# KiCad board OLD_PCB.kicad_pcb (continued)
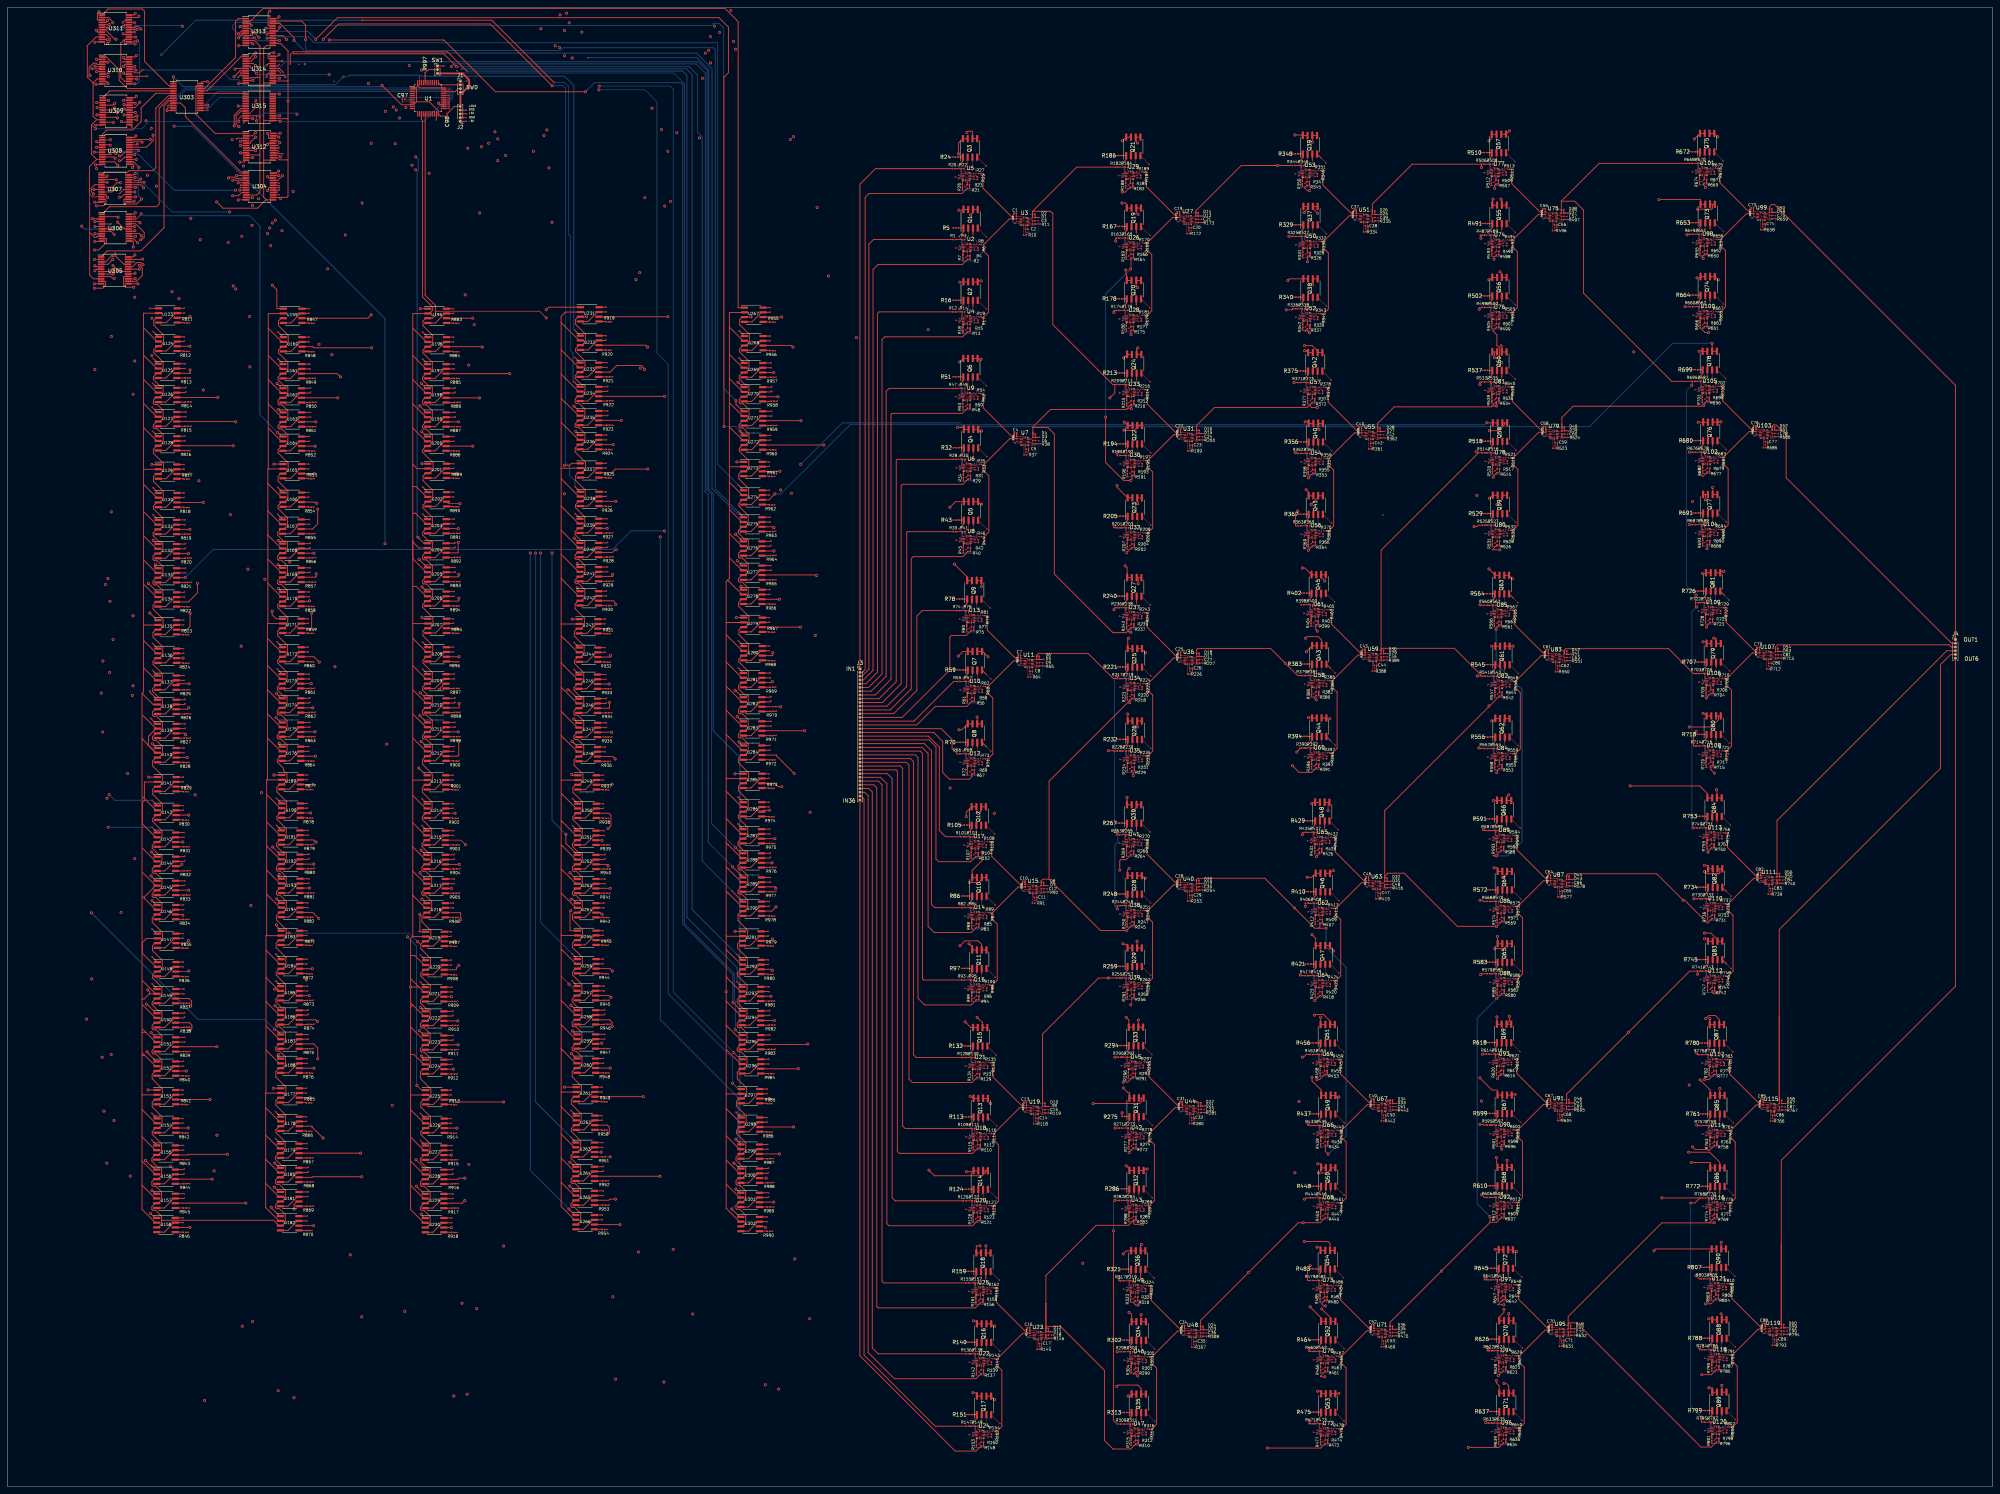
[diagram p0: board, top side]
## Placement (name value [footprint] x y rotation side) (continued)
U154  MCP41050  [SOIC-8_3.9x4.9mm_P1.27mm]  42.42 96.39 0 top
U155  MCP41050  [SOIC-8_3.9x4.9mm_P1.27mm]  42.32 89.19 0 top
U156  MCP41050  [SOIC-8_3.9x4.9mm_P1.27mm]  42.32 82.74 0 top
U157  MCP41050  [SOIC-8_3.9x4.9mm_P1.27mm]  42.32 76.29 0 top
U158  MCP41050  [SOIC-8_3.9x4.9mm_P1.27mm]  42.32 69.84 0 top
U159  MCP41050  [SOIC-8_3.9x4.9mm_P1.27mm]  76.12 312.66 0 top
U160  MCP41050  [SOIC-8_3.9x4.9mm_P1.27mm]  76.12 305.06 0 top
U161  MCP41050  [SOIC-8_3.9x4.9mm_P1.27mm]  76.03 297.86 0 top
U162  MCP41050  [SOIC-8_3.9x4.9mm_P1.27mm]  76.03 291.41 0 top
U163  MCP41050  [SOIC-8_3.9x4.9mm_P1.27mm]  76.03 284.96 0 top
U164  MCP41050  [SOIC-8_3.9x4.9mm_P1.27mm]  76.03 278.5 0 top
U165  MCP41050  [SOIC-8_3.9x4.9mm_P1.27mm]  76.03 271.16 0 top
U166  MCP41050  [SOIC-8_3.9x4.9mm_P1.27mm]  76.03 263.56 0 top
U167  MCP41050  [SOIC-8_3.9x4.9mm_P1.27mm]  75.93 256.36 0 top
U168  MCP41050  [SOIC-8_3.9x4.9mm_P1.27mm]  75.93 249.91 0 top
U169  MCP41050  [SOIC-8_3.9x4.9mm_P1.27mm]  75.93 243.46 0 top
U170  MCP41050  [SOIC-8_3.9x4.9mm_P1.27mm]  75.93 237.01 0 top
U171  MCP41050  [SOIC-8_3.9x4.9mm_P1.27mm]  75.92 229.85 0 top
U172  MCP41050  [SOIC-8_3.9x4.9mm_P1.27mm]  75.92 222.25 0 top
U173  MCP41050  [SOIC-8_3.9x4.9mm_P1.27mm]  75.82 215.05 0 top
U174  MCP41050  [SOIC-8_3.9x4.9mm_P1.27mm]  75.82 208.6 0 top
U175  MCP41050  [SOIC-8_3.9x4.9mm_P1.27mm]  75.82 202.15 0 top
U176  MCP41050  [SOIC-8_3.9x4.9mm_P1.27mm]  75.82 195.7 0 top
U177  MCP41050  [SOIC-8_3.9x4.9mm_P1.27mm]  75.44 104.46 0 top
U178  MCP41050  [SOIC-8_3.9x4.9mm_P1.27mm]  75.44 96.86 0 top
U179  MCP41050  [SOIC-8_3.9x4.9mm_P1.27mm]  75.34 89.66 0 top
U180  MCP41050  [SOIC-8_3.9x4.9mm_P1.27mm]  75.34 83.21 0 top
U181  MCP41050  [SOIC-8_3.9x4.9mm_P1.27mm]  75.34 76.76 0 top
U182  MCP41050  [SOIC-8_3.9x4.9mm_P1.27mm]  75.34 70.31 0 top
U183  MCP41050  [SOIC-8_3.9x4.9mm_P1.27mm]  75.53 146.52 0 top
U184  MCP41050  [SOIC-8_3.9x4.9mm_P1.27mm]  75.53 138.92 0 top
U185  MCP41050  [SOIC-8_3.9x4.9mm_P1.27mm]  75.43 131.72 0 top
U186  MCP41050  [SOIC-8_3.9x4.9mm_P1.27mm]  75.43 125.27 0 top
U187  MCP41050  [SOIC-8_3.9x4.9mm_P1.27mm]  75.43 118.82 0 top
U188  MCP41050  [SOIC-8_3.9x4.9mm_P1.27mm]  75.43 112.37 0 top
U189  MCP41050  [SOIC-8_3.9x4.9mm_P1.27mm]  75.7 188.12 0 top
U190  MCP41050  [SOIC-8_3.9x4.9mm_P1.27mm]  75.7 180.52 0 top
U191  MCP41050  [SOIC-8_3.9x4.9mm_P1.27mm]  75.6 173.32 0 top
U192  MCP41050  [SOIC-8_3.9x4.9mm_P1.27mm]  75.6 166.87 0 top
U193  MCP41050  [SOIC-8_3.9x4.9mm_P1.27mm]  75.6 160.42 0 top
U194  MCP41050  [SOIC-8_3.9x4.9mm_P1.27mm]  75.6 153.97 0 top
U195  MCP41050  [SOIC-8_3.9x4.9mm_P1.27mm]  114.71 312.65 0 top
U196  MCP41050  [SOIC-8_3.9x4.9mm_P1.27mm]  114.71 305.05 0 top
U197  MCP41050  [SOIC-8_3.9x4.9mm_P1.27mm]  114.61 297.85 0 top
U198  MCP41050  [SOIC-8_3.9x4.9mm_P1.27mm]  114.61 291.4 0 top
U199  MCP41050  [SOIC-8_3.9x4.9mm_P1.27mm]  114.61 284.95 0 top
U200  MCP41050  [SOIC-8_3.9x4.9mm_P1.27mm]  114.61 278.5 0 top
U201  MCP41050  [SOIC-8_3.9x4.9mm_P1.27mm]  114.73 271.25 0 top
U202  MCP41050  [SOIC-8_3.9x4.9mm_P1.27mm]  114.73 263.66 0 top
U203  MCP41050  [SOIC-8_3.9x4.9mm_P1.27mm]  114.62 256.46 0 top
U204  MCP41050  [SOIC-8_3.9x4.9mm_P1.27mm]  114.62 250.01 0 top
U205  MCP41050  [SOIC-8_3.9x4.9mm_P1.27mm]  114.62 243.56 0 top
U206  MCP41050  [SOIC-8_3.9x4.9mm_P1.27mm]  114.62 237.11 0 top
U207  MCP41050  [SOIC-8_3.9x4.9mm_P1.27mm]  114.7 229.85 0 top
U208  MCP41050  [SOIC-8_3.9x4.9mm_P1.27mm]  114.7 222.25 0 top
U209  MCP41050  [SOIC-8_3.9x4.9mm_P1.27mm]  114.6 215.05 0 top
U210  MCP41050  [SOIC-8_3.9x4.9mm_P1.27mm]  114.6 208.6 0 top
U211  MCP41050  [SOIC-8_3.9x4.9mm_P1.27mm]  114.6 202.15 0 top
U212  MCP41050  [SOIC-8_3.9x4.9mm_P1.27mm]  114.6 195.7 0 top
U213  MCP41050  [SOIC-8_3.9x4.9mm_P1.27mm]  114.53 188.05 0 top
U214  MCP41050  [SOIC-8_3.9x4.9mm_P1.27mm]  114.53 180.45 0 top
U215  MCP41050  [SOIC-8_3.9x4.9mm_P1.27mm]  114.43 173.25 0 top
U216  MCP41050  [SOIC-8_3.9x4.9mm_P1.27mm]  114.43 166.8 0 top
U217  MCP41050  [SOIC-8_3.9x4.9mm_P1.27mm]  114.43 160.35 0 top
U218  MCP41050  [SOIC-8_3.9x4.9mm_P1.27mm]  114.43 153.9 0 top
U219  MCP41050  [SOIC-8_3.9x4.9mm_P1.27mm]  114.13 146.25 0 top
U220  MCP41050  [SOIC-8_3.9x4.9mm_P1.27mm]  114.13 138.65 0 top
U221  MCP41050  [SOIC-8_3.9x4.9mm_P1.27mm]  114.03 131.45 0 top
U222  MCP41050  [SOIC-8_3.9x4.9mm_P1.27mm]  114.03 125 0 top
U223  MCP41050  [SOIC-8_3.9x4.9mm_P1.27mm]  114.03 118.55 0 top
U224  MCP41050  [SOIC-8_3.9x4.9mm_P1.27mm]  114.03 112.1 0 top
U225  MCP41050  [SOIC-8_3.9x4.9mm_P1.27mm]  114.12 103.96 0 top
U226  MCP41050  [SOIC-8_3.9x4.9mm_P1.27mm]  114.12 96.36 0 top
U227  MCP41050  [SOIC-8_3.9x4.9mm_P1.27mm]  114.03 89.16 0 top
U228  MCP41050  [SOIC-8_3.9x4.9mm_P1.27mm]  114.03 82.71 0 top
U229  MCP41050  [SOIC-8_3.9x4.9mm_P1.27mm]  114.03 76.25 0 top
U230  MCP41050  [SOIC-8_3.9x4.9mm_P1.27mm]  114.03 69.81 0 top
U231  MCP41050  [SOIC-8_3.9x4.9mm_P1.27mm]  155.45 313.05 0 top
U232  MCP41050  [SOIC-8_3.9x4.9mm_P1.27mm]  155.45 305.45 0 top
U233  MCP41050  [SOIC-8_3.9x4.9mm_P1.27mm]  155.35 298.25 0 top
U234  MCP41050  [SOIC-8_3.9x4.9mm_P1.27mm]  155.35 291.8 0 top
U235  MCP41050  [SOIC-8_3.9x4.9mm_P1.27mm]  155.35 285.35 0 top
U236  MCP41050  [SOIC-8_3.9x4.9mm_P1.27mm]  155.35 278.9 0 top
U237  MCP41050  [SOIC-8_3.9x4.9mm_P1.27mm]  155.43 271.36 0 top
U238  MCP41050  [SOIC-8_3.9x4.9mm_P1.27mm]  155.43 263.75 0 top
U239  MCP41050  [SOIC-8_3.9x4.9mm_P1.27mm]  155.33 256.56 0 top
U240  MCP41050  [SOIC-8_3.9x4.9mm_P1.27mm]  155.33 250.11 0 top
U241  MCP41050  [SOIC-8_3.9x4.9mm_P1.27mm]  155.33 243.66 0 top
U242  MCP41050  [SOIC-8_3.9x4.9mm_P1.27mm]  155.33 237.21 0 top
U243  MCP41050  [SOIC-8_3.9x4.9mm_P1.27mm]  155.13 229.75 0 top
U244  MCP41050  [SOIC-8_3.9x4.9mm_P1.27mm]  155.13 222.15 0 top
U245  MCP41050  [SOIC-8_3.9x4.9mm_P1.27mm]  155.03 214.95 0 top
U246  MCP41050  [SOIC-8_3.9x4.9mm_P1.27mm]  155.03 208.5 0 top
U247  MCP41050  [SOIC-8_3.9x4.9mm_P1.27mm]  155.03 202.05 0 top
U248  MCP41050  [SOIC-8_3.9x4.9mm_P1.27mm]  155.03 195.6 0 top
U249  MCP41050  [SOIC-8_3.9x4.9mm_P1.27mm]  154.73 188.05 0 top
U250  MCP41050  [SOIC-8_3.9x4.9mm_P1.27mm]  154.73 180.45 0 top
U251  MCP41050  [SOIC-8_3.9x4.9mm_P1.27mm]  154.63 173.25 0 top
U252  MCP41050  [SOIC-8_3.9x4.9mm_P1.27mm]  154.63 166.8 0 top
U253  MCP41050  [SOIC-8_3.9x4.9mm_P1.27mm]  154.63 160.35 0 top
U254  MCP41050  [SOIC-8_3.9x4.9mm_P1.27mm]  154.63 153.9 0 top
U255  MCP41050  [SOIC-8_3.9x4.9mm_P1.27mm]  154.65 146.55 0 top
U256  MCP41050  [SOIC-8_3.9x4.9mm_P1.27mm]  154.65 138.95 0 top
U257  MCP41050  [SOIC-8_3.9x4.9mm_P1.27mm]  154.55 131.75 0 top
U258  MCP41050  [SOIC-8_3.9x4.9mm_P1.27mm]  154.55 125.3 0 top
U259  MCP41050  [SOIC-8_3.9x4.9mm_P1.27mm]  154.55 118.85 0 top
U260  MCP41050  [SOIC-8_3.9x4.9mm_P1.27mm]  154.55 112.4 0 top
U261  MCP41050  [SOIC-8_3.9x4.9mm_P1.27mm]  154.33 104.75 0 top
U262  MCP41050  [SOIC-8_3.9x4.9mm_P1.27mm]  154.33 97.15 0 top
U263  MCP41050  [SOIC-8_3.9x4.9mm_P1.27mm]  154.23 89.95 0 top
U264  MCP41050  [SOIC-8_3.9x4.9mm_P1.27mm]  154.23 83.5 0 top
U265  MCP41050  [SOIC-8_3.9x4.9mm_P1.27mm]  154.23 77.05 0 top
U266  MCP41050  [SOIC-8_3.9x4.9mm_P1.27mm]  154.23 70.6 0 top
U267  MCP41050  [SOIC-8_3.9x4.9mm_P1.27mm]  199.25 312.95 0 top
U268  MCP41050  [SOIC-8_3.9x4.9mm_P1.27mm]  199.25 305.35 0 top
U269  MCP41050  [SOIC-8_3.9x4.9mm_P1.27mm]  199.15 298.15 0 top
U270  MCP41050  [SOIC-8_3.9x4.9mm_P1.27mm]  199.15 291.7 0 top
U271  MCP41050  [SOIC-8_3.9x4.9mm_P1.27mm]  199.15 285.25 0 top
U272  MCP41050  [SOIC-8_3.9x4.9mm_P1.27mm]  199.15 278.8 0 top
U273  MCP41050  [SOIC-8_3.9x4.9mm_P1.27mm]  199.05 271.75 0 top
U274  MCP41050  [SOIC-8_3.9x4.9mm_P1.27mm]  199.05 264.15 0 top
U275  MCP41050  [SOIC-8_3.9x4.9mm_P1.27mm]  198.95 256.95 0 top
U276  MCP41050  [SOIC-8_3.9x4.9mm_P1.27mm]  198.95 250.5 0 top
U277  MCP41050  [SOIC-8_3.9x4.9mm_P1.27mm]  198.95 244.05 0 top
U278  MCP41050  [SOIC-8_3.9x4.9mm_P1.27mm]  198.95 237.6 0 top
U279  MCP41050  [SOIC-8_3.9x4.9mm_P1.27mm]  199.05 230.15 0 top
U280  MCP41050  [SOIC-8_3.9x4.9mm_P1.27mm]  199.05 222.55 0 top
U281  MCP41050  [SOIC-8_3.9x4.9mm_P1.27mm]  198.95 215.35 0 top
U282  MCP41050  [SOIC-8_3.9x4.9mm_P1.27mm]  198.95 208.9 0 top
U283  MCP41050  [SOIC-8_3.9x4.9mm_P1.27mm]  198.95 202.45 0 top
U284  MCP41050  [SOIC-8_3.9x4.9mm_P1.27mm]  198.95 196 0 top
U285  MCP41050  [SOIC-8_3.9x4.9mm_P1.27mm]  198.93 188.46 0 top
U286  MCP41050  [SOIC-8_3.9x4.9mm_P1.27mm]  198.93 180.86 0 top
U287  MCP41050  [SOIC-8_3.9x4.9mm_P1.27mm]  198.83 173.66 0 top
U288  MCP41050  [SOIC-8_3.9x4.9mm_P1.27mm]  198.83 167.21 0 top
U289  MCP41050  [SOIC-8_3.9x4.9mm_P1.27mm]  198.83 160.76 0 top
U290  MCP41050  [SOIC-8_3.9x4.9mm_P1.27mm]  198.83 154.31 0 top
U291  MCP41050  [SOIC-8_3.9x4.9mm_P1.27mm]  198.72 146.36 0 top
U292  MCP41050  [SOIC-8_3.9x4.9mm_P1.27mm]  198.72 138.75 0 top
U293  MCP41050  [SOIC-8_3.9x4.9mm_P1.27mm]  198.62 131.56 0 top
U294  MCP41050  [SOIC-8_3.9x4.9mm_P1.27mm]  198.62 125.11 0 top
U295  MCP41050  [SOIC-8_3.9x4.9mm_P1.27mm]  198.62 118.66 0 top
U296  MCP41050  [SOIC-8_3.9x4.9mm_P1.27mm]  198.62 112.21 0 top
U297  MCP41050  [SOIC-8_3.9x4.9mm_P1.27mm]  198.39 104.25 0 top
U298  MCP41050  [SOIC-8_3.9x4.9mm_P1.27mm]  198.39 96.65 0 top
U299  MCP41050  [SOIC-8_3.9x4.9mm_P1.27mm]  198.29 89.45 0 top
U300  MCP41050  [SOIC-8_3.9x4.9mm_P1.27mm]  198.29 83 0 top
U301  MCP41050  [SOIC-8_3.9x4.9mm_P1.27mm]  198.29 76.55 0 top
U302  MCP41050  [SOIC-8_3.9x4.9mm_P1.27mm]  198.29 70.1 0 top
U303  CD74HC4067SM  [SSOP-24_5.3x8.2mm_P0.65mm]  47.9 371.1 0 top
U304  CD74HC4067SM  [SSOP-24_5.3x8.2mm_P0.65mm]  67.3 347.2 0 top
U305  CD74HC4067SM  [SSOP-24_5.3x8.2mm_P0.65mm]  28.6 324.8 0 top
U306  CD74HC4067SM  [SSOP-24_5.3x8.2mm_P0.65mm]  28.8 336.2 0 top
U307  CD74HC4067SM  [SSOP-24_5.3x8.2mm_P0.65mm]  28.7 346.7 0 top
U308  CD74HC4067SM  [SSOP-24_5.3x8.2mm_P0.65mm]  28.9 356.7 0 top
U309  CD74HC4067SM  [SSOP-24_5.3x8.2mm_P0.65mm]  29 367.3 0 top
U310  CD74HC4067SM  [SSOP-24_5.3x8.2mm_P0.65mm]  28.9 378.2 0 top
U311  CD74HC4067SM  [SSOP-24_5.3x8.2mm_P0.65mm]  28.8 389.4 0 top
U312  CD74HC4067SM  [SSOP-24_5.3x8.2mm_P0.65mm]  67.3 357.8 0 top
U313  CD74HC4067SM  [SSOP-24_5.3x8.2mm_P0.65mm]  67.2 388.45 0 top
U314  CD74HC4067SM  [SSOP-24_5.3x8.2mm_P0.65mm]  67.2 378.4 0 top
U315  CD74HC4067SM  [SSOP-24_5.3x8.2mm_P0.65mm]  67.2 368.35 0 top

## Library data of the parts
C1-C90 C97 C98 = -: Description: Unpolarized capacitor, small symbol
D1-D60 = -: Description: Diode, filled shape
J1 = -: Description: Generic connector, single row, 01x04, script generated (kicad-library-utils/schlib/autogen/connector/)
J2 = -: Description: Generic connector, single row, 01x05, script generated (kicad-library-utils/schlib/autogen/connector/)
J3 = -: Description: Generic connector, single row, 01x36, script generated (kicad-library-utils/schlib/autogen/connector/)
J4 = -: Description: Generic connector, single row, 01x06, script generated (kicad-library-utils/schlib/autogen/connector/)
Q1-Q90 = -: Description: 9A Id, -20V Vds, Dual HEXFET P-Channel MOSFET, SO-8
R1-R990 R997 = -: Description: Resistor, US symbol
SW1 = -: Description: Switch, single pole double throw
U1 = -: Description: ARM Cortex-M0 MCU, 256KB flash, 32KB RAM, 48MHz, 2.4-3.6V, 37 GPIO, LQFP-48
U2-U121 = -: Description: Low-Power, Quad-Operational Amplifiers, Texas S-PX2QFN-14
U123-U302 = -: Description: Single Digital Potentiometer, SPI interface, 256 taps, 50 kohm
U303-U315 = -: Description: High-Speed CMOS Logic 16-Channel Analog Multiplexer/Demultiplexer, SSOP-24

## Footprints (pads in the part's own frame, mm; a bottom-side part is the same pattern mirrored in y, then rotated)
C_0201_0603Metric
  rrect 0.318x0.36 smd: (-0.345,0) (0.345,0)
  rrect 0.46x0.4 smd: 1(-0.32,0) 2(0.32,0)
D_0201_0603Metric
  rrect 0.318x0.36 smd: (-0.345,0) (0.345,0)
  rrect 0.46x0.4 smd: 1(-0.32,0) 2(0.32,0)
LQFP-48_7x7mm_P0.5mm
  rrect 1.475x0.3 smd: 1(-4.162,2.75) 2(-4.162,2.25) 3(-4.162,1.75) 4(-4.162,1.25) 5(-4.162,0.75) 6(-4.162,0.25) 7(-4.162,-0.25) 8(-4.162,-0.75) 9(-4.162,-1.25) 10(-4.162,-1.75) 11(-4.162,-2.25) 12(-4.162,-2.75) 25(4.162,-2.75) 26(4.162,-2.25) 27(4.162,-1.75) 28(4.162,-1.25) 29(4.162,-0.75) 30(4.162,-0.25) 31(4.162,0.25) 32(4.162,0.75) 33(4.162,1.25) 34(4.162,1.75) 35(4.162,2.25) 36(4.162,2.75)
  rrect 0.3x1.475 smd: 13(-2.75,-4.162) 14(-2.25,-4.162) 15(-1.75,-4.162) 16(-1.25,-4.162) 17(-0.75,-4.162) 18(-0.25,-4.162) 19(0.25,-4.162) 20(0.75,-4.162) 21(1.25,-4.162) 22(1.75,-4.162) 23(2.25,-4.162) 24(2.75,-4.162) 37(2.75,4.162) 38(2.25,4.162) 39(1.75,4.162) 40(1.25,4.162) 41(0.75,4.162) 42(0.25,4.162) 43(-0.25,4.162) 44(-0.75,4.162) 45(-1.25,4.162) 46(-1.75,4.162) 47(-2.25,4.162) 48(-2.75,4.162)
PinHeader_1x03_P1.00mm_Vertical
  rect 0.85x0.85 hole 0.5: 1(0,0)
  oval 0.85x0.85 hole 0.5: 2(0,-1) 3(0,-2)
PinHeader_1x04_P1.00mm_Vertical
  rect 0.85x0.85 hole 0.5: 1(0,0)
  oval 0.85x0.85 hole 0.5: 2(0,-1) 3(0,-2) 4(0,-3)
PinHeader_1x05_P1.00mm_Vertical
  rect 0.85x0.85 hole 0.5: 1(0,0)
  oval 0.85x0.85 hole 0.5: 2(0,-1) 3(0,-2) 4(0,-3) 5(0,-4)
PinHeader_1x06_P1.00mm_Vertical
  rect 0.85x0.85 hole 0.5: 1(0,0)
  oval 0.85x0.85 hole 0.5: 2(0,-1) 3(0,-2) 4(0,-3) 5(0,-4) 6(0,-5)
PinHeader_1x36_P1.00mm_Vertical
  rect 0.85x0.85 hole 0.5: 1(0,0)
  oval 0.85x0.85 hole 0.5: 2(0,-1) 3(0,-2) 4(0,-3) 5(0,-4) 6(0,-5) 7(0,-6) 8(0,-7) 9(0,-8) 10(0,-9) 11(0,-10) 12(0,-11) 13(0,-12) 14(0,-13) 15(0,-14) 16(0,-15) 17(0,-16) 18(0,-17) 19(0,-18) 20(0,-19) 21(0,-20) 22(0,-21) 23(0,-22) 24(0,-23) 25(0,-24) 26(0,-25) 27(0,-26) 28(0,-27) 29(0,-28) 30(0,-29) 31(0,-30) 32(0,-31) 33(0,-32) 34(0,-33) 35(0,-34) 36(0,-35)
R_0201_0603Metric
  rrect 0.318x0.36 smd: (-0.345,0) (0.345,0)
  rrect 0.46x0.4 smd: 1(-0.32,0) 2(0.32,0)
SOIC-8_3.9x4.9mm_P1.27mm
  rrect 1.95x0.6 smd: 1(-2.475,1.905) 2(-2.475,0.635) 3(-2.475,-0.635) 4(-2.475,-1.905) 5(2.475,-1.905) 6(2.475,-0.635) 7(2.475,0.635) 8(2.475,1.905)
SSOP-24_5.3x8.2mm_P0.65mm
  rect 1.75x0.45 smd: 1(-3.6,3.575) 2(-3.6,2.925) 3(-3.6,2.275) 4(-3.6,1.625) 5(-3.6,0.975) 6(-3.6,0.325) 7(-3.6,-0.325) 8(-3.6,-0.975) 9(-3.6,-1.625) 10(-3.6,-2.275) 11(-3.6,-2.925) 12(-3.6,-3.575) 13(3.6,-3.575) 14(3.6,-2.925) 15(3.6,-2.275) 16(3.6,-1.625) 17(3.6,-0.975) 18(3.6,-0.325) 19(3.6,0.325) 20(3.6,0.975) 21(3.6,1.625) 22(3.6,2.275) 23(3.6,2.925) 24(3.6,3.575)
Texas_S-PX2QFN-14
  rrect 0.8x0.2 smd: 1(-0.95,0.8) 2(-0.95,0.4) 3(-0.95,0) 4(-0.95,-0.4) 5(-0.95,-0.8) 8(0.95,-0.8) 9(0.95,-0.4) 10(0.95,0) 11(0.95,0.4) 12(0.95,0.8)
  rrect 0.2x0.8 smd: 6(-0.2,-0.95) 7(0.2,-0.95) 13(0.2,0.95) 14(-0.2,0.95)

## Nets
+3V3: C98.2 J1.4 J2.5 SW1.3
+5V: J2.3 R811.1 R812.1 R813.1 R814.1 R815.1 R816.1 R817.1 R818.1 R819.1 R820.1 R821.1 R822.1 R823.1 R824.1 R825.1 R826.1 R827.1 R828.1 R829.1 R830.1 R831.1 R832.1 R833.1 R834.1 R835.1 R836.1 R837.1 R838.1 R839.1 R840.1 R841.1 R842.1 R843.1 R844.1 R845.1 R846.1 R847.1 R848.1 R849.1 R850.1 R851.1 R852.1 R853.1 R854.1 R855.1 R856.1 R857.1 R858.1 R859.1 R860.1 R861.1 R862.1 R863.1 R864.1 R865.1 R866.1 R867.1 R868.1 R869.1 R870.1 R871.1 R872.1 R873.1 R874.1 R875.1 R876.1 R877.1 R878.1 R879.1 R880.1 R881.1 R882.1 R883.1 R884.1 R885.1 R886.1 R887.1 R888.1 R889.1 R890.1 R891.1 R892.1 R893.1 R894.1 R895.1 R896.1 R897.1 R898.1 R899.1 R900.1 R901.1 R902.1 R903.1 R904.1 R905.1 R906.1 R907.1 R908.1 R909.1 R910.1 R911.1 R912.1 R913.1 R914.1 R915.1 R916.1 R917.1 R918.1 R919.1 R920.1 R921.1 R922.1 R923.1 R924.1 R925.1 R926.1 R927.1 R928.1 R929.1 R930.1 R931.1 R932.1 R933.1 R934.1 R935.1 R936.1 R937.1 R938.1 R939.1 R940.1 R941.1 R942.1 R943.1 R944.1 R945.1 R946.1 R947.1 R948.1 R949.1 R950.1 R951.1 R952.1 R953.1 R954.1 R955.1 R956.1 R957.1 R958.1 R959.1 R960.1 R961.1 R962.1 R963.1 R964.1 R965.1 R966.1 R967.1 R968.1 R969.1 R970.1 R971.1 R972.1 R973.1 R974.1 R975.1 R976.1 R977.1 R978.1 R979.1 R980.1 R981.1 R982.1 R983.1 R984.1 R985.1 R986.1 R987.1 R988.1 R989.1 R990.1 U2.3 U3.3 U4.3 U5.3 U6.3 U7.3 U8.3 U9.3 U10.3 U11.3 U12.3 U13.3 U14.3 U15.3 U16.3 U17.3 U18.3 U19.3 U20.3 U21.3 U22.3 U23.3 U24.3 U25.3 U26.3 U27.3 U28.3 U29.3 U30.3 U31.3 U32.3 U33.3 U34.3 U35.3 U36.3 U37.3 U38.3 U39.3 U40.3 U41.3 U42.3 U43.3 U44.3 U45.3 U46.3 U47.3 U48.3 U49.3 U50.3 U51.3 U52.3 U53.3 U54.3 U55.3 U56.3 U57.3 U58.3 U59.3 U60.3 U61.3 U62.3 U63.3 U64.3 U65.3 U66.3 U67.3 U68.3 U69.3 U70.3 U71.3 U72.3 U73.3 U74.3 U75.3 U76.3 U77.3 U78.3 U79.3 U80.3 U81.3 U82.3 U83.3 U84.3 U85.3 U86.3 U87.3 U88.3 U89.3 U90.3 U91.3 U92.3 U93.3 U94.3 U95.3 U96.3 U97.3 U98.3 U99.3 U100.3 U101.3 U102.3 U103.3 U104.3 U105.3 U106.3 U107.3 U108.3 U109.3 U110.3 U111.3 U112.3 U113.3 U114.3 U115.3 U116.3 U117.3 U118.3 U119.3 U120.3 U121.3 U123.8 U124.8 U125.8 U126.8 U127.8 U128.8 U129.8 U130.8 U131.8 U132.8 U133.8 U134.8 U135.8 U136.8 U137.8 U138.8 U139.8 U140.8 U141.8 U142.8 U143.8 U144.8 U145.8 U146.8 U147.8 U148.8 U149.8 U150.8 U151.8 U152.8 U153.8 U154.8 U155.8 U156.8 U157.8 U158.8 U159.8 U160.8 U161.8 U162.8 U163.8 U164.8 U165.8 U166.8 U167.8 U168.8 U169.8 U170.8 U171.8 U172.8 U173.8 U174.8 U175.8 U176.8 U177.8 U178.8 U179.8 U180.8 U181.8 U182.8 U183.8 U184.8 U185.8 U186.8 U187.8 U188.8 U189.8 U190.8 U191.8 U192.8 U193.8 U194.8 U195.8 U196.8 U197.8 U198.8 U199.8 U200.8 U201.8 U202.8 U203.8 U204.8 U205.8 U206.8 U207.8 U208.8 U209.8 U210.8 U211.8 U212.8 U213.8 U214.8 U215.8 U216.8 U217.8 U218.8 U219.8 U220.8 U221.8 U222.8 U223.8 U224.8 U225.8 U226.8 U227.8 U228.8 U229.8 U230.8 U231.8 U232.8 U233.8 U234.8 U235.8 U236.8 U237.8 U238.8 U239.8 U240.8 U241.8 U242.8 U243.8 U244.8 U245.8 U246.8 U247.8 U248.8 U249.8 U250.8 U251.8 U252.8 U253.8 U254.8 U255.8 U256.8 U257.8 U258.8 U259.8 U260.8 U261.8 U262.8 U263.8 U264.8 U265.8 U266.8 U267.8 U268.8 U269.8 U270.8 U271.8 U272.8 U273.8 U274.8 U275.8 U276.8 U277.8 U278.8 U279.8 U280.8 U281.8 U282.8 U283.8 U284.8 U285.8 U286.8 U287.8 U288.8 U289.8 U290.8 U291.8 U292.8 U293.8 U294.8 U295.8 U296.8 U297.8 U298.8 U299.8 U300.8 U301.8 U302.8 U303.24 U304.24 U305.24 U306.24 U307.24 U308.24 U309.24 U310.24 U311.24 U312.24 U313.24 U314.24 U315.24
-5V: J2.1 U2.10 U4.10 U5.10 U6.10 U8.10 U9.10 U10.10 U12.10 U13.10 U14.10 U16.10 U17.10 U18.10 U20.10 U21.10 U22.10 U24.10 U25.10 U26.10 U28.10 U29.10 U30.10 U32.10 U33.10 U34.10 U35.10 U37.10 U38.10 U39.10 U41.10 U42.10 U43.10 U45.10 U46.10 U47.10 U49.10 U50.10 U52.10 U53.10 U54.10 U56.10 U57.10 U58.10 U60.10 U61.10 U62.10 U64.10 U65.10 U66.10 U68.10 U69.10 U70.10 U72.10 U73.10 U74.10 U76.10 U77.10 U78.10 U80.10 U81.10 U82.10 U84.10 U85.10 U86.10 U88.10 U89.10 U90.10 U92.10 U93.10 U94.10 U96.10 U97.10 U98.10 U100.10 U101.10 U102.10 U104.10 U105.10 U106.10 U108.10 U109.10 U110.10 U112.10 U113.10 U114.10 U116.10 U117.10 U118.10 U120.10 U121.10
GND: C97.1 D1.1 D2.2 D3.1 D4.2 D5.1 D6.2 D7.1 D8.2 D9.1 D10.2 D11.1 D12.2 D13.1 D14.2 D15.1 D16.2 D17.1 D18.2 D19.1 D20.2 D21.1 D22.2 D23.1 D24.2 D25.1 D26.2 D27.1 D28.2 D29.1 D30.2 D31.1 D32.2 D33.1 D34.2 D35.1 D36.2 D37.1 D38.2 D39.1 D40.2 D41.1 D42.2 D43.1 D44.2 D45.1 D46.2 D47.1 D48.2 D49.1 D50.2 D51.1 D52.2 D53.1 D54.2 D55.1 D56.2 D57.1 D58.2 D59.1 D60.2 J1.1 J2.2 J2.4 R5.1 R6.1 R11.2 R16.1 R17.1 R24.1 R25.1 R32.1 R33.1 R38.2 R43.1 R44.1 R51.1 R52.1 R59.1 R60.1 R65.2 R70.1 R71.1 R78.1 R79.1 R86.1 R87.1 R92.2 R97.1 R98.1 R105.1 R106.1 R113.1 R114.1 R119.2 R124.1 R125.1 R132.1 R133.1 R140.1 R141.1 R146.2 R151.1 R152.1 R159.1 R160.1 R167.1 R168.1 R173.2 R178.1 R179.1 R186.1 R187.1 R194.1 R195.1 R200.2 R205.1 R206.1 R213.1 R214.1 R221.1 R222.1 R227.2 R232.1 R233.1 R240.1 R241.1 R248.1 R249.1 R254.2 R259.1 R260.1 R267.1 R268.1 R275.1 R276.1 R281.2 R286.1 R287.1 R294.1 R295.1 R302.1 R303.1 R308.2 R313.1 R314.1 R321.1 R322.1 R329.1 R330.1 R335.2 R340.1 R341.1 R348.1 R349.1 R356.1 R357.1 R362.2 R367.1 R368.1 R375.1 R376.1 R383.1 R384.1 R389.2 R394.1 R395.1 R402.1 R403.1 R410.1 R411.1 R416.2 R421.1 R422.1 R429.1 R430.1 R437.1 R438.1 R443.2 R448.1 R449.1 R456.1 R457.1 R464.1 R465.1 R470.2 R475.1 R476.1 R483.1 R484.1 R491.1 R492.1 R497.2 R502.1 R503.1 R510.1 R511.1 R518.1 R519.1 R524.2 R529.1 R530.1 R537.1 R538.1 R545.1 R546.1 R551.2 R556.1 R557.1 R564.1 R565.1 R572.1 R573.1 R578.2 R583.1 R584.1 R591.1 R592.1 R599.1 R600.1 R605.2 R610.1 R611.1 R618.1 R619.1 R626.1 R627.1 R632.2 R637.1 R638.1 R645.1 R646.1 R653.1 R654.1 R659.2 R664.1 R665.1 R672.1 R673.1 R680.1 R681.1 R686.2 R691.1 R692.1 R699.1 R700.1 R707.1 R708.1 R713.2 R718.1 R719.1 R726.1 R727.1 R734.1 R735.1 R740.2 R745.1 R746.1 R753.1 R754.1 R761.1 R762.1 R767.2 R772.1 R773.1 R780.1 R781.1 R788.1 R789.1 R794.2 R799.1 R800.1 R807.1 R808.1 SW1.1 U1.8 U1.23 U1.35 U1.47 U2.2 U2.9 U3.2 U3.9 U3.10 U4.2 U4.9 U5.2 U5.9 U6.2 U6.9 U7.2 U7.9 U7.10 U8.2 U8.9 U9.2 U9.9 U10.2 U10.9 U11.2 U11.9 U11.10 U12.2 U12.9 U13.2 U13.9 U14.2 U14.9 U15.2 U15.9 U15.10 U16.2 U16.9 U17.2 U17.9 U18.2 U18.9 U19.2 U19.9 U19.10 U20.2 U20.9 U21.2 U21.9 U22.2 U22.9 U23.2 U23.9 U23.10 U24.2 U24.9 U25.2 U25.9 U26.2 U26.9 U27.2 U27.9 U27.10 U28.2 U28.9 U29.2 U29.9 U30.2 U30.9 U31.2 U31.9 U31.10 U32.2 U32.9 U33.2 U33.9 U34.2 U34.9 U35.2 U35.9 U36.2 U36.9 U36.10 U37.2 U37.9 U38.2 U38.9 U39.2 U39.9 U40.2 U40.9 U40.10 U41.2 U41.9 U42.2 U42.9 U43.2 U43.9 U44.2 U44.9 U44.10 U45.2 U45.9 U46.2 U46.9 U47.2 U47.9 U48.2 U48.9 U48.10 U49.2 U49.9 U50.2 U50.9 U51.2 U51.9 U51.10 U52.2 U52.9 U53.2 U53.9 U54.2 U54.9 U55.2 U55.9 U55.10 U56.2 U56.9 U57.2 U57.9 U58.2 U58.9 U59.2 U59.9 U59.10 U60.2 U60.9 U61.2 U61.9 U62.2 U62.9 U63.2 U63.9 U63.10 U64.2 U64.9 U65.2 U65.9 U66.2 U66.9 U67.2 U67.9 U67.10 U68.2 U68.9 U69.2 U69.9 U70.2 U70.9 U71.2 U71.9 U71.10 U72.2 U72.9 U73.2 U73.9 U74.2 U74.9 U75.2 U75.9 U75.10 U76.2 U76.9 U77.2 U77.9 U78.2 U78.9 U79.2 U79.9 U79.10 U80.2 U80.9 U81.2 U81.9 U82.2 U82.9 U83.2 U83.9 U83.10 U84.2 U84.9 U85.2 U85.9 U86.2 U86.9 U87.2 U87.9 U87.10 U88.2 U88.9 U89.2 U89.9 U90.2 U90.9 U91.2 U91.9 U91.10 U92.2 U92.9 U93.2 U93.9 U94.2 U94.9 U95.2 U95.9 U95.10 U96.2 U96.9 U97.2 U97.9 U98.2 U98.9 U99.2 U99.9 U99.10 U100.2 U100.9 U101.2 U101.9 U102.2 U102.9 U103.2 U103.9 U103.10 U104.2 U104.9 U105.2 U105.9 U106.2 U106.9 U107.2 U107.9 U107.10 U108.2 U108.9 U109.2 U109.9 U110.2 U110.9 U111.2 U111.9 U111.10 U112.2 U112.9 U113.2 U113.9 U114.2 U114.9 U115.2 U115.9 U115.10 U116.2 U116.9 U117.2 U117.9 U118.2 U118.9 U119.2 U119.9 U119.10 U120.2 U120.9 U121.2 U121.9 U123.4 U123.7 U124.4 U124.7 U125.4 U125.7 U126.4 U126.7 U127.4 U127.7 U128.4 U128.7 U129.4 U129.7 U130.4 U130.7 U131.4 U131.7 U132.4 U132.7 U133.4 U133.7 U134.4 U134.7 U135.4 U135.7 U136.4 U136.7 U137.4 U137.7 U138.4 U138.7 U139.4 U139.7 U140.4 U140.7 U141.4 U141.7 U142.4 U142.7 U143.4 U143.7 U144.4 U144.7 U145.4 U145.7 U146.4 U146.7 U147.4 U147.7 U148.4 U148.7 U149.4 U149.7 U150.4 U150.7 U151.4 U151.7 U152.4 U152.7 U153.4 U153.7 U154.4 U154.7 U155.4 U155.7 U156.4 U156.7 U157.4 U157.7 U158.4 U158.7 U159.4 U159.7 U160.4 U160.7 U161.4 U161.7 U162.4 U162.7 U163.4 U163.7 U164.4 U164.7 U165.4 U165.7 U166.4 U166.7 U167.4 U167.7 U168.4 U168.7 U169.4 U169.7 U170.4 U170.7 U171.4 U171.7 U172.4 U172.7 U173.4 U173.7 U174.4 U174.7 U175.4 U175.7 U176.4 U176.7 U177.4 U177.7 U178.4 U178.7 U179.4 U179.7 U180.4 U180.7 U181.4 U181.7 U182.4 U182.7 U183.4 U183.7 U184.4 U184.7 U185.4 U185.7 U186.4 U186.7 U187.4 U187.7 U188.4 U188.7 U189.4 U189.7 U190.4 U190.7 U191.4 U191.7 U192.4 U192.7 U193.4 U193.7 U194.4 U194.7 U195.4 U195.7 U196.4 U196.7 U197.4 U197.7 U198.4 U198.7 U199.4 U199.7 U200.4 U200.7 U201.4 U201.7 U202.4 U202.7 U203.4 U203.7 U204.4 U204.7 U205.4 U205.7 U206.4 U206.7 U207.4 U207.7 U208.4 U208.7 U209.4 U209.7 U210.4 U210.7 U211.4 U211.7 U212.4 U212.7 U213.4 U213.7 U214.4 U214.7 U215.4 U215.7 U216.4 U216.7 U217.4 U217.7 U218.4 U218.7 U219.4 U219.7 U220.4 U220.7 U221.4 U221.7 U222.4 U222.7 U223.4 U223.7 U224.4 U224.7 U225.4 U225.7 U226.4 U226.7 U227.4 U227.7 U228.4 U228.7 U229.4 U229.7 U230.4 U230.7 U231.4 U231.7 U232.4 U232.7 U233.4 U233.7 U234.4 U234.7 U235.4 U235.7 U236.4 U236.7 U237.4 U237.7 U238.4 U238.7 U239.4 U239.7 U240.4 U240.7 U241.4 U241.7 U242.4 U242.7 U243.4 U243.7 U244.4 U244.7 U245.4 U245.7 U246.4 U246.7 U247.4 U247.7 U248.4 U248.7 U249.4 U249.7 U250.4 U250.7 U251.4 U251.7 U252.4 U252.7 U253.4 U253.7 U254.4 U254.7 U255.4 U255.7 U256.4 U256.7 U257.4 U257.7 U258.4 U258.7 U259.4 U259.7 U260.4 U260.7 U261.4 U261.7 U262.4 U262.7 U263.4 U263.7 U264.4 U264.7 U265.4 U265.7 U266.4 U266.7 U267.4 U267.7 U268.4 U268.7 U269.4 U269.7 U270.4 U270.7 U271.4 U271.7 U272.4 U272.7 U273.4 U273.7 U274.4 U274.7 U275.4 U275.7 U276.4 U276.7 U277.4 U277.7 U278.4 U278.7 U279.4 U279.7 U280.4 U280.7 U281.4 U281.7 U282.4 U282.7 U283.4 U283.7 U284.4 U284.7 U285.4 U285.7 U286.4 U286.7 U287.4 U287.7 U288.4 U288.7 U289.4 U289.7 U290.4 U290.7 U291.4 U291.7 U292.4 U292.7 U293.4 U293.7 U294.4 U294.7 U295.4 U295.7 U296.4 U296.7 U297.4 U297.7 U298.4 U298.7 U299.4 U299.7 U300.4 U300.7 U301.4 U301.7 U302.4 U302.7 U303.12 U303.15 U304.12 U304.15 U305.12 U305.15 U306.12 U306.15 U307.12 U307.15 U308.12 U308.15 U309.12 U309.15 U310.12 U310.15 U311.12 U311.15 U312.12 U312.15 U313.12 U313.15 U314.12 U314.15 U315.12 U315.15
/CS: U1.10 U303.1
/L1_IN1: J3.1 R20.1
/L1_IN2: J3.2 R21.1
/L1_IN3: J3.3 R1.1
/L1_IN4: J3.4 R2.1
/L1_IN5: J3.5 R12.1
/L1_IN6: J3.6 R13.1
/L1_IN7: J3.7 R47.1
